# KiCad board Keyboard.kicad_pcb (continued)
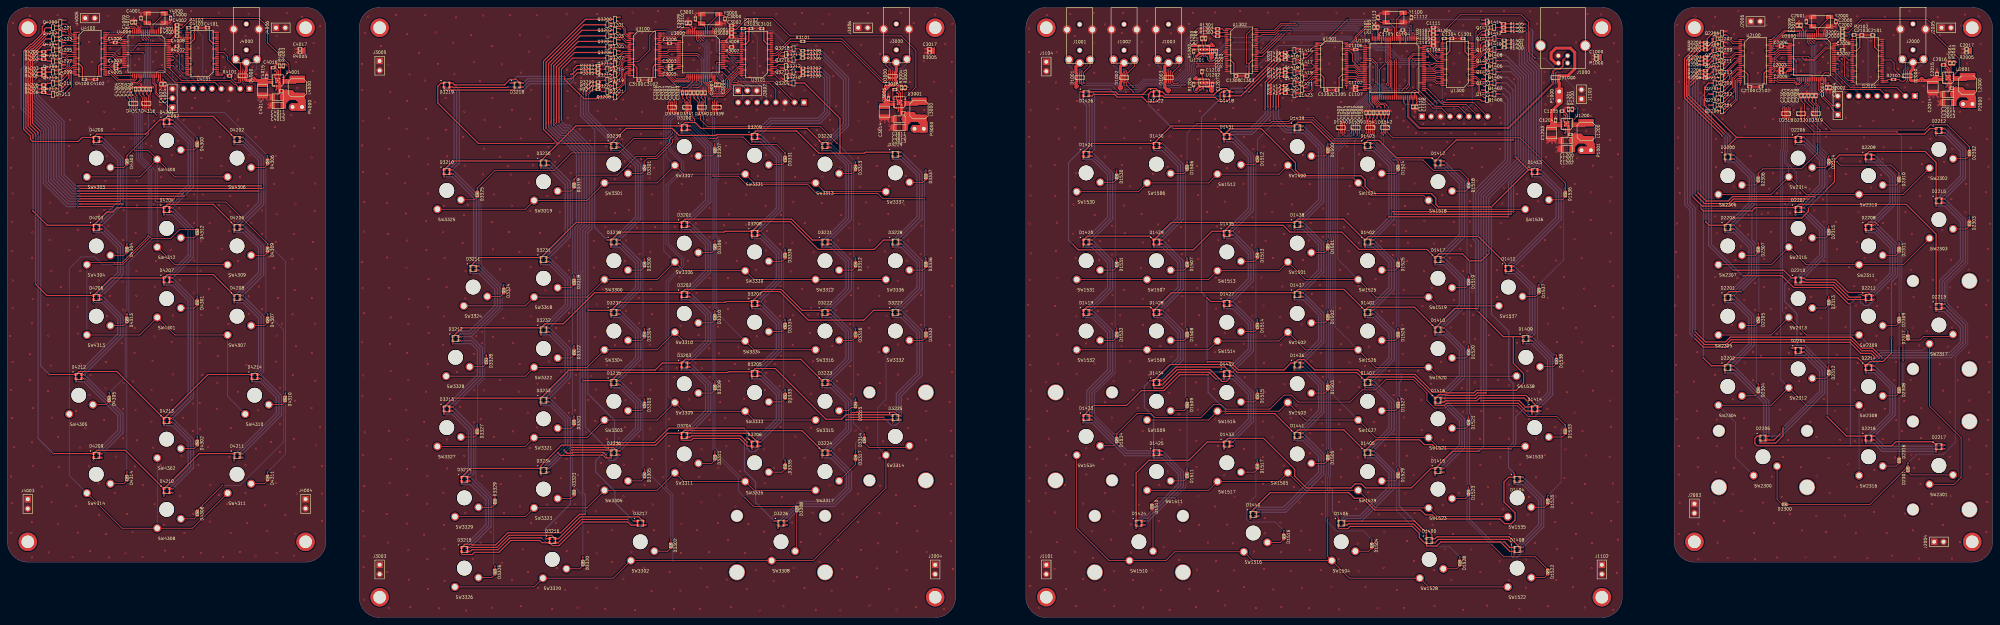
[diagram p0: board, top side]
## Routing (per net, layer and track width the routed paths; a pad name or vN(x,y) marks a point on that pad's centre or on a via; arc(x,y) is an arc through that point) (continued)
Net-(U2001-SS/TR): length 2.6
  Top w0.2: 522.2,149.25 522.2,147.05 U2001.9
Net-(U2101-1B1): length 2.8
  Top w0.2: U2101.2 507.19,145.29 ; 507.19,145.29 507.44,145.29 ; 507.19,145.29 507.59,145.29 507.8,145.5 R2101.1
Net-(U3000-BOOT0): length 2
  Top w0.2: U3000.60 194.8,154.05 195.05,154.3
Net-(U3000-PH0-OSC_IN): length 7.8
  Top w0.2: U3000.5 189,160.05 191.75,162.8 193.5,162.8 193.75,162.55
Net-(U3000-PH1-OSC_OUT): length 4.6
  Top w0.2: U3000.6 188.5,159.6 187,161.1 185.9,161.1
Net-(U3000-VCAP_1): length 1.9
  Top w0.2: 179.55,149.3 179.8,149.55 U3000.30
Net-(U3001-FB): length 2.7
  Top w0.2: R3004.1 R3003.2 ; 241.62,141.22 241.62,142.93
Net-(U3001-FSW): length 81.9
  Top w0.3: U3001.14 240.62,137.07 v1(240.38,136.82) ; v1(243.07,143.45) 242.75,143.78 R3003.1 ; 247.62,134.32 247.88,134.57 247.88,134.82 ; 247.62,134.32 247.62,134.57 ; 247.62,134.32 244.12,134.32 ; v1(240.12,141.82) 240.32,141.82 240.62,141.53 U3001.7 ; 244.62,135.57 243.88,136.32 242.43,136.32 ; 247.88,134.82 247.62,134.57 ; 247.88,134.82 247.75,134.7 244,134.7 244.12,134.57 247.62,134.57 ; 247.62,134.57 247.62,135.07 247.18,135.53 246.12,135.53 ; 245.82,135.53 244.62,134.32 ; 245.82,135.53 246.12,135.53 ; 245.82,135.53 245.38,135.07 245.38,134.32 ; 246.12,135.53 246.12,135.07 ; 246.12,135.53 246.12,134.32 ; 244.12,134.32 245.38,135.57 ; 244.12,134.32 242.43,132.62 242.43,136.32 ; 242.43,136.32 242.62,136.32 v1(243.12,136.82) ; 242.43,136.32 242.43,136.28 ; 246.88,134.32 246.88,135.07
  Top w0.5: 243.12,135.32 243.12,134.82 243.62,135.32 243.38,135.57 242.88,135.57 242.88,134.07 244.12,135.32 243.62,135.82 242.62,135.82 242.62,133.32 244.62,135.32 ; 244.82,136.32 244.57,136.07 242.77,136.07 C3011.1 244.68,136.47 244.82,136.32 ; 244.82,136.32 246.12,135.03 ; C3013.1 242.38,136.07 ; 242.43,136.28 242.62,136.07
  Top w2: C3012.1 242.77,135.22 244.02,135.22 ; P3000.1 247.44,133.7 246.12,135.03
  In2.Cu w0.3: P3000.1 247.44,132.5 v1(243.12,136.82) v1(240.38,136.82) 239.62,137.57 239.62,141.32 v1(240.12,141.82) 241.83,141.82 243.07,143.07 v1(243.07,143.45)
Net-(U3001-SS/TR): length 2.6
  Top w0.2: 239.07,142.57 239.07,140.38 U3001.9
Net-(U3101-1B8): length 9.5
  Top w0.2: R3101.1 211.45,155.8 207.7,152.05 U3101.12
Net-(U4000-BOOT0): length 2
  Top w0.2: 45.35,154.5 45.1,154.25 U4000.60
Net-(U4000-PH0-OSC_IN): length 7.8
  Top w0.2: 44.05,162.75 43.8,163 42.05,163 39.3,160.25 U4000.5
Net-(U4000-PH1-OSC_OUT): length 4.6
  Top w0.2: U4000.6 38.8,159.8 37.3,161.3 36.2,161.3
Net-(U4000-VCAP_1): length 1.9
  Top w0.2: U4000.30 30.1,149.75 29.85,149.5
Net-(U4001-FB): length 3.1
  Top w0.2: R4003.2 R4004.1 73.75,148.45 U4001.5
Net-(U4001-FSW): length 82.2
  Top w0.3: 79.75,140.5 76.25,140.5 76.12,140.62 79.88,140.62 80,140.75 ; 79.75,140.5 79.75,141 79.3,141.45 78.25,141.45 ; 79.75,140.5 79.75,140.25 ; 79.75,140.5 80,140.75 ; 77.5,141.5 76.25,140.25 ; 76.25,140.25 74.55,138.55 74.55,142.25 ; 76.25,140.25 79.75,140.25 ; 79.75,140.25 80,140.5 80,140.75 ; 78.25,141.45 77.95,141.45 ; 78.25,141.45 78.25,141 ; 78.25,141.45 78.25,140.25 ; 79,140.25 79,141 ; 77.95,141.45 76.75,140.25 ; 77.95,141.45 77.5,141 77.5,140.25 ; 74.55,142.25 74.75,142.25 v1(75.25,142.75) ; 74.55,142.25 74.55,142.2 ; 74.55,142.25 76,142.25 76.75,141.5 ; U4001.7 72.75,147.45 72.45,147.75 v1(72.25,147.75) ; U4001.14 72.75,143 v1(72.5,142.75) ; R4003.1 75,149.7 v1(75.4,149.3)
  Top w0.5: 76.75,141.25 74.75,139.25 74.75,141.75 75.75,141.75 76.25,141.25 75,140 75,141.5 75.5,141.5 75.75,141.25 75.25,140.75 75.25,141.25 ; C4012.1 74.5,142 ; 74.55,142.2 74.75,142 ; 76.95,142.25 L4000.2 ; 76.95,142.25 76.7,142 74.9,142 C4011.1 76.8,142.4 76.95,142.25
  Top w2: L4000.2 79.55,139.66 P4000.1 ; 76.08,141.57 75.25,140.75 C4013.1
  In2.Cu w0.3: v1(75.4,149.3) 73.85,147.75 v1(72.25,147.75) 71.75,147.25 71.75,143.5 v1(72.5,142.75) v1(75.25,142.75) 79.55,138.45 P4000.1
Net-(U4001-SS/TR): length 2.6
  Top w0.2: U4001.9 71.2,146.3 71.2,148.5
Net-(U4101-1B1): length 3.2
  Top w0.2: R4101.1 58.75,147.25 U4101.2

## Copper pours and planes (outline as drawn; the poured copper is in the pictures)
GND on Top: 536,15 450,15 450,165 536,165
GND on Top: 86,15 0,15 0,165 86,165
GND on Top: 436,0 275,0 275,165 436,165
GND on Top: 256,0 95,0 95,165 256,165
GND on Bottom: 536,15 450,15 450,165 536,165
GND on Bottom: 86,15 0,15 0,165 86,165
GND on Bottom: 436,0 275,0 275,165 436,165
GND on Bottom: 256,0 95,0 95,165 256,165
GND on In1.Cu: 536,15 450,15 450,165 536,165
GND on In1.Cu: 86,15 0,15 0,165 86,165
GND on In1.Cu: 436,0 275,0 275,165 436,165
GND on In1.Cu: 256,0 95,0 95,165 256,165
VDD_3V3 on In2.Cu: 428,8 283,8 283,157 329,157 329,159.5 330,160.5 346.5,160.5 351,156 354,159 372.5,159 373,159.5 384.5,159.5 385.5,158.5 394,158.5 395.5,157 428,157
VDD_3V3_2 on In2.Cu: 528,23 458,23 458,157 468.5,157 469.5,158 475.5,158 477.5,160 492.5,160 493,160.5 499,160.5 501,158.5 501,156.5 504,153.5 506,155.5 517.5,155.5 519,157 528,157
VDD_3V3_3 on In2.Cu: 248,8 103,8 103,157 163,157 165.5,159.5 183,159.5 184.5,161 191.5,161 193,159.5 201,159.5 205.5,155 208.5,155.07 210.5,157 248,157
VDD_3V3_4 on In2.Cu: 78,23 8,23 8,157 14,157 16,159 27,159 28.5,161 41,161 42.5,159.5 51.5,159.5 55.5,155.5 67.5,155.5 69,157 78,157
/Keyboard-Left/SHIELD_3 on In2.Cu: 256,0 95,0 95,165 256,165
/Keyboard-Navblock/SHIELD_4 on In2.Cu: 86,15 0,15 0,165 86,165
/Keyboard-Numblock/SHIELD_2 on In2.Cu: 536,15 450,15 450,165 536,165
USB_SHIELD on In2.Cu: 436,0 275,0 275,165 436,165

## Text on the board
User.Comments: Key Grid: 19/8 mm / Grid origin common: 25,0 25,0 / Grid origin L: 148,375 176,625 / Grid origin R: 330,5 169,5 / Grid origin Nav: 49 151,25 / Grid origin Num: 499 146,5 / LED offset: 0,0 -5,05  Text: 0,0 -0,5 / Diode offset: 3,5 1,0 Text: 0,0 1,0 / Plate thickness: 1,5 mm / Plate Height: 3,5 mm
User.Drawings: X | Y | A | 1
